# Altium PCB 20180616.PcbDoc
Units mil, origin at the board's own origin, x right, y up, seen from the top; angles counter-clockwise.
Board outline 4685.87 x 1793.13 mil, 2 copper layers (Top Layer, Bottom Layer); 58 components, 63 nets, 241 pads, 37 vias.
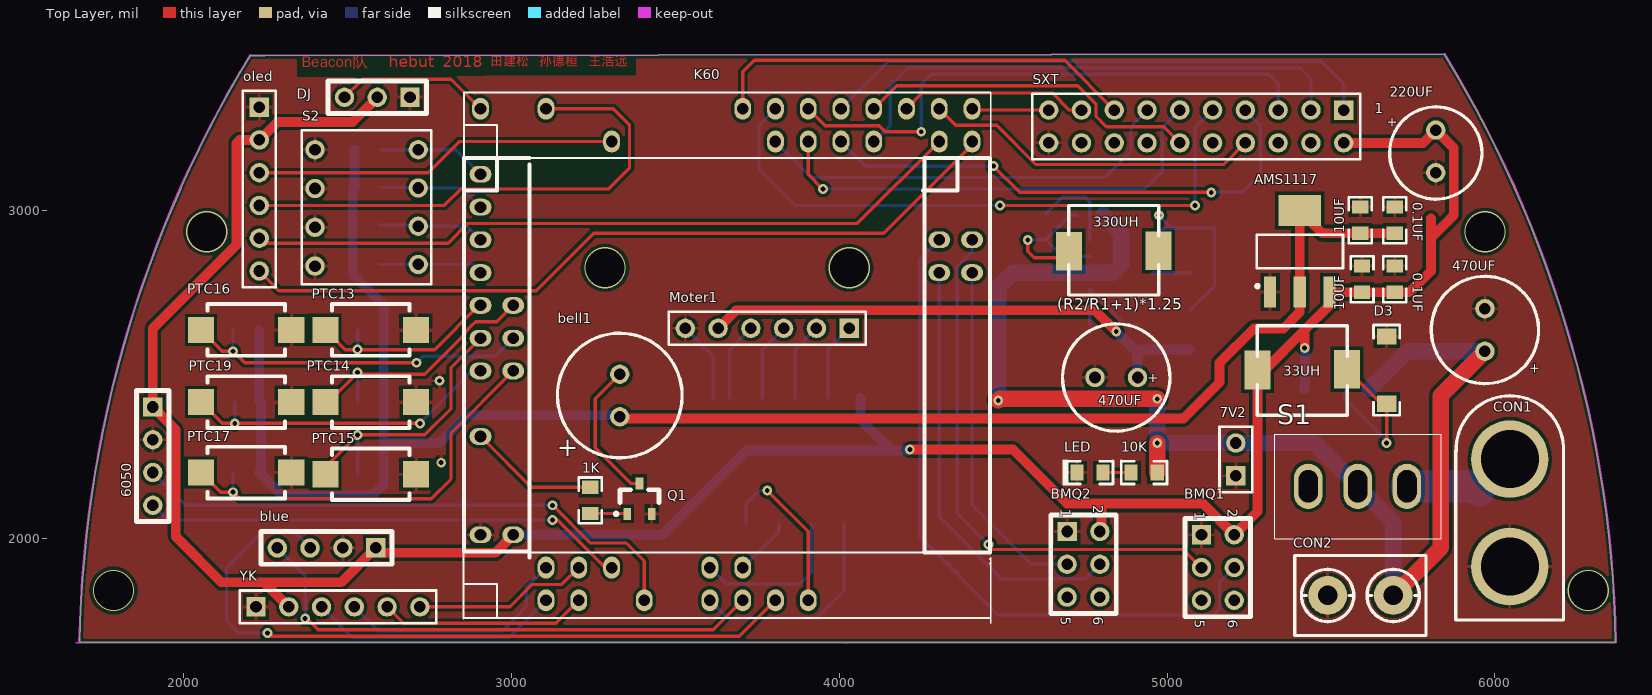
[diagram p0: Top Layer view]
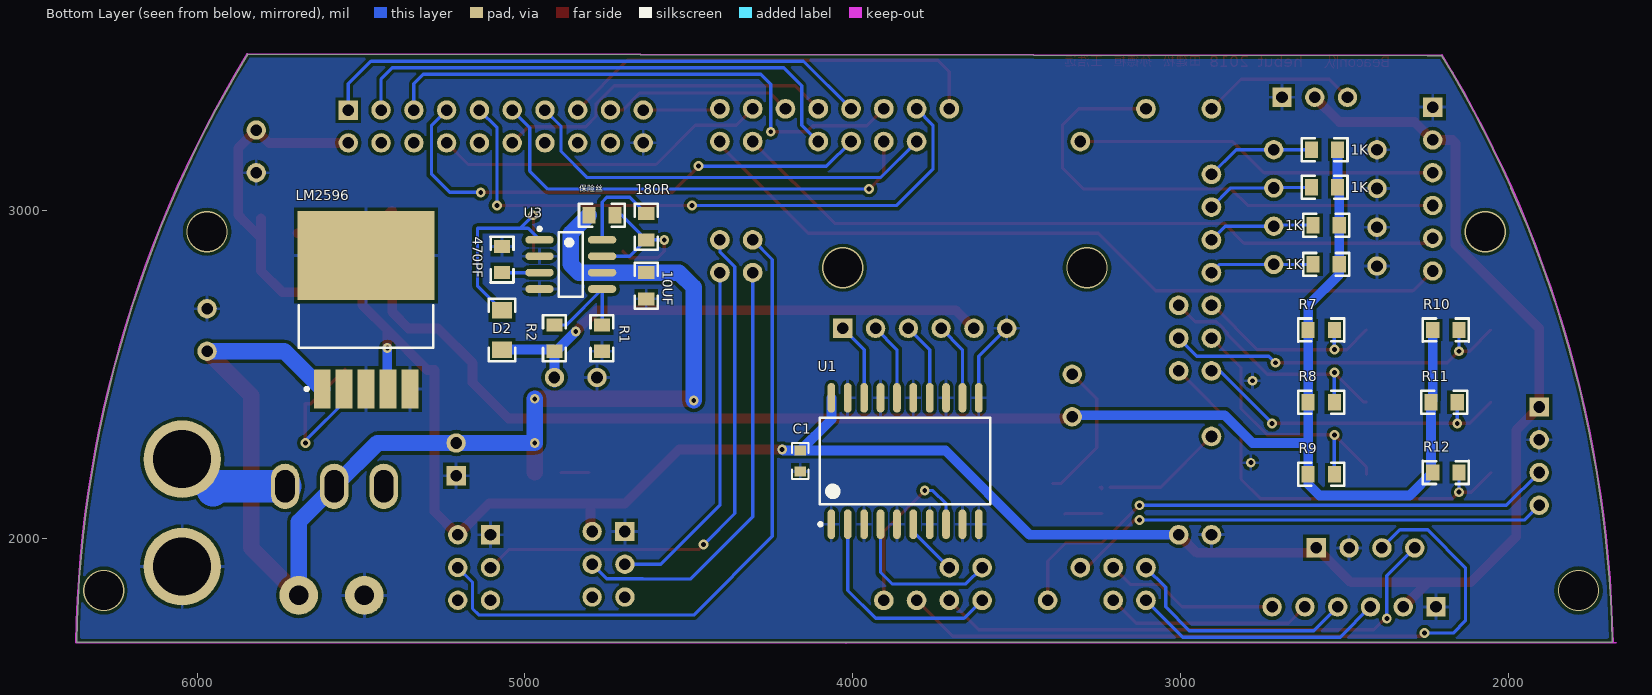
[diagram p1: Bottom Layer view, seen from below]

## Layer stack, top to bottom
Top Layer: signal copper 1.4
Dielectric: dielectric 12.6, FR-4, Dk 4.8
Bottom Layer: signal copper 1.4

## Board outline
1682.56,1682.54 cw(c5252.73,1615.09) 2202.32,3471.33 ccw(c2202.99,3473.76) 2202.99,3471.24 2247.27,3471.24 ccw(c2247.27,3473.76) 2247.27,3471.24 3447.34,3472.71 4647.4,3474.18 5846.05,3475.64 cw(c2798.27,1615.09) 6368.43,1682.54 4020.32,1682.52

## Design rules (kind name [scope] priority, off if disabled: settings)
Clearance [All] p1: gap=10
ComponentClearance [All] p1: gap=0 collisioncheckmode=3 verticalgap=0 showdistances=FALSE
PolygonConnect [All] p1: connectstyle=Relief reliefconductorwidth=10 reliefentries=4 polygonreliefangle="90 Angle" airgapwidth=10
RoutingVias [All] p1: holewidth=15 width=30 viastyle="Through Hole" minholewidth=12 minwidth=24 maxholewidth=28 maxwidth=50
SolderMaskExpansion [All] p1: expansion=4
Width [All] p1: maxlimit=100 minlimit=10 preferedwidth=10 minimp=50.000000 maximp=50.000000 favimp=50.000000
27 further rules are at their usual default settings.

## Components (designator, comment, footprint, x,y, rotation, side; value= is the part's Value field where it differs from the comment)
0.1UF "Cap" 0805 5695,2790 r270 top (schematic designator C6)
0.1UF "Cap" 0805 5695,2970 r270 top (schematic designator C7)
1K "Res2" 0805 2560,3185 r180 bottom (schematic designator R3)
1K "Res2" 0805 2560,3070 r180 bottom (schematic designator R4)
1K "Res2" 0805 2555,2955 r180 bottom (schematic designator R5)
1K "Res2" 0805 2555,2835 r0 bottom (schematic designator R6)
1K "Res2" 0805 3240,2115 r270 top (schematic designator R2)
7V2 "H1" HDR1X2 5190,2210 r90 top (schematic designator DY1)
10K "Res2" 0805 4930,2200 r0 top (schematic designator R1)
10UF "Cap Pol1" 0805 5590,2970 r90 top (schematic designator C4)
10UF "Cap" 0805 5595,2790 r270 top (schematic designator C5)
10UF "10uF" 0805 4630,2770 r270 bottom (schematic designator C10)
33UH "Inductor" diangan 5250,2435 r180 top (schematic designator L2)
180R "180R" 0805 4630,2950 r270 bottom (schematic designator R14)
220UF "Cap Pol1" 220uf 5860,3155 r270 top (schematic designator C9)
330UH "330uH" diangan 5000,2955 r0 top (schematic designator L1)
470PF "470pF" 0805 5070,2850 r90 bottom (schematic designator C3)
470UF "470uF" 470UF 4830,2505 r180 top (schematic designator C2)
470UF "Cap Pol1" 470uF 5985,2650 r90 top (schematic designator C8)
6050 "6050" HDR1X4 1925,2270 r270 top (schematic designator *)
AMS1117 "AMS1117-3.3" lm1117-5v 5400,2880 r90 top (schematic designator 1)
bell1 "Bell" bezzer 3320,2330 r90 top
blue "blueteeth2" HDR1X4 2455,1950 r180 top (schematic designator blue1)
BMQ1 "encode_1" HDR2X3 5130,1820 r270 top
BMQ2 "encode_2" HDR2X3 4720,1830 r270 top
C1 "0.1uF" 0603 4160,2235 r90 bottom
CON1 "PowerIn" DIZUO 6035,2070 r0 top
CON2 "PoweIn" KF301-2P 5590,1825 r90 top
D2 "IN5819" 1206(3216) 5140,2580 r270 bottom
D3 "IN5824" 1N5824 5825,2450 r90 top
DJ "DJ" HDR1X3 2580,3325 r180 top (schematic designator *7)
K60 "K60" K60 3045,2465 r0 top (schematic designator K1)
LED "RED" 0805LED 4765,2200 r180 top (schematic designator D1)
LM2596 "LM2596-5" LM2596 5475,2695 r90 bottom (schematic designator U2)
Moter1 "Motor" HDR1X6 4030,2640 r180 top
oled "OLED" HDR1X6 2230,3315 r270 top (schematic designator oled1)
PTC13 "SW-PB" BUTTON 2530,2615 r180 top (schematic designator S3)
PTC14 "SW-PB" BUTTON 2530,2395 r180 top (schematic designator S4)
PTC15 "SW-PB" BUTTON 2530,2175 r180 top (schematic designator S5)
PTC16 "SW-PB" BUTTON 2150,2615 r180 top (schematic designator S6)
PTC17 "SW-PB" BUTTON 2150,2180 r180 top (schematic designator S8)
PTC19 "SW-PB" BUTTON 2150,2395 r180 top (schematic designator S7)
Q1 "NPN9013" npn9013 3380,2115 r90 top
R1 "100R" 0805 4765,2610 r270 bottom (schematic designator R16)
R2 "1.3K" 0805 4910,2610 r270 bottom (schematic designator R15)
R7 "Res2" 0805 2570,2635 r0 bottom
R8 "Res2" 0805 2570,2415 r0 bottom
R9 "Res2" 0805 2570,2195 r0 bottom
R10 "Res2" 0805 2190,2635 r0 bottom
R11 "Res2" 0805 2195,2415 r0 bottom
R12 "Res2" 0805 2190,2200 r0 bottom
S1 "zk" SWITCH-MID 5350,2280 r0 top
S2 "SW-DIP4" BMKG 2060,3120 r270 top
SXT "SXT" SXT 5040,3260 r180 top (schematic designator *1)
U1 "74LS244" 74ls244DB 3840,2235 r90 bottom
U3 "MC34063" MC34063 4860,2835 r180 bottom
YK "YK" HDR1X6 2220,1790 r0 top (schematic designator *2)
保险丝 "0.22R" 0805 4765,2985 r0 bottom (schematic designator R13)

## Footprints (in the part's own frame and the unit in brackets; to place one, negate y for a bottom-side part, rotate by r counter-clockwise, add the part's x,y. Pads: shape width x height; smd on the part's side, far side on the other; paste and mask are expansions set on the pad)
1N5824 [mil]
  rect 50x60 smd: 1(-40,155) 2(165,155)
  silkscreen extent -75,115 200,195
74ls244DB [mm] "SOP, 20-Leads, Body 13.00x7.50mm, Pitch 1.27mm, IPC Medium Density"
  oval 2.3x0.6 smd: 1(-4.9,5.715) 2(-4.9,4.445) 3(-4.9,3.175) 4(-4.9,1.905) 5(-4.9,0.635) 6(-4.9,-0.635) 7(-4.9,-1.905) 8(-4.9,-3.175) 9(-4.9,-4.445) 10(-4.9,-5.715) 11(4.9,-5.715) 12(4.9,-4.445) 13(4.9,-3.175) 14(4.9,-1.905) 15(4.9,-0.635) 16(4.9,0.635) 17(4.9,1.905) 18(4.9,3.175) 19(4.9,4.445) 20(4.9,5.715)
  silkscreen extent -5.02,-6.6 3.35,6.69, body extent -3.8,-6.6 3.8,6.6, height 2.65
220uf [mm]
  round 1.5 hole 0.9: 1(-2.286,-1.016) 2(1.016,-1.016)
  silkscreen extent -4.08,-4.59 3.07,2.56
470UF [mm]
  round 1.5 hole 0.9: 1(-2.032,0.381) 2(1.27,0.381)
  silkscreen extent -4.54,-3.78 3.78,4.54
470uF [mm]
  round 1.5 hole 0.9: 1(-2.032,0.381) 2(1.27,0.381)
  silkscreen extent -4.54,-3.78 3.78,4.54
0603 [mil]
  rect 30x35 smd: 1(-32,0) 2(32,0)
  silkscreen extent -55,-25 55,25
0805 [mil]
  rect 40x50 smd: 1(-40,0) 2(40,0)
  silkscreen extent -70,-35 70,35
0805LED [mil]
  rect 40x50 smd: 1(-40,0) 2(40,0)
  silkscreen extent -70,-35 80,35
1206(3216) [mil]
  rect 50x60 smd: 1(-115,70) 2(5,70)
  silkscreen extent -150,30 40,110
bezzer [mm]
  round 1.5 hole 0.9: 1(1.016,-0.254) 2(4.318,-0.254)
  silkscreen extent -2.16,-5.08 7.5,4.58
BMKG [mm]
  round 1.5 hole 0.9: 1(-1.651,8.636) 2(1.355,8.636) 3(4.36,8.636) 4(7.366,8.636) 5(7.239,16.637) 6(4.276,16.637) 7(1.312,16.637) 8(-1.651,16.637)
  silkscreen extent -3.18,7.62 8.76,17.65
BUTTON [mil]
  rect 80x80 smd: 1(-177.8,-20) 2(97.8,-20)
  silkscreen extent -158,-99 78,59
diangan [mil]
  rect 78.74x118.11 smd: 1(-299,-80) 2(-26,-78)
  silkscreen extent -300,-213 -25,60
DIZUO [mm]
  round 6 hole 4.5: 1(0.279,4.343) 2(0.279,-3.988)
  silkscreen extent -3.91,-8.13 4.45,9.25
HDR1X2 [mm]
  rect 1.5x1.5 hole 0.9: 1(-0.508,-0.508)
  round 1.5 hole 0.9: 2(2.032,-0.508)
  silkscreen extent -1.78,-1.78 3.3,0.76
HDR1X3 [mm]
  rect 1.5x1.5 hole 0.9: 1(-2.794,-0.508)
  round 1.5 hole 0.9: 2(-0.254,-0.508) 3(2.286,-0.508)
  silkscreen extent -4.06,-1.78 3.56,0.76
HDR1X4 [mm]
  rect 1.5x1.5 hole 0.9: 1(-3.302,-0.508)
  round 1.5 hole 0.9: 2(-0.762,-0.508) 3(1.778,-0.508) 4(4.318,-0.508)
  silkscreen extent -4.57,-1.78 5.59,0.76
HDR1X6 [mm] "Connector; Header; 6 Position"
  rect 1.5x1.5 hole 0.9: 1(0,0)
  round 1.5 hole 0.9: 2(2.54,0) 3(5.08,0) 4(7.62,0) 5(10.16,0) 6(12.7,0)
  silkscreen extent -1.27,-1.27 13.97,1.27
HDR2X3 [mm]
  rect 1.5x1.5 hole 0.9: 1(-4.826,-0.635)
  round 1.5 hole 0.9: 2(-4.826,1.905) 3(-2.286,-0.635) 4(-2.286,1.905) 5(0.254,-0.635) 6(0.254,1.905)
  silkscreen extent -6.1,-1.91 1.52,3.18
K60 [mm]
  oval 1.7x1.3 / inner round 1.524 / far side round 1.524 hole 0.9: 1(-3.556,16.383) 3(-3.556,13.843) 5(-3.556,11.303) 7(-3.556,8.763) 9(-3.556,6.223) 10(-1.016,6.223) 11(-3.556,3.683) 12(-1.016,3.683) 13(-3.556,1.143) 14(-1.016,1.143) 17(-3.556,-3.937) 23(-3.556,-11.557) 24(-1.016,-11.557) 73(34.544,8.763) 74(32.004,8.763) 75(34.544,11.303) 76(32.004,11.303)
  oval 1.3x1.7 / inner round 1.524 / far side round 1.524 hole 0.9: 29(1.524,-16.637) 30(1.524,-14.097) 31(4.064,-16.637) 32(4.064,-14.097) 34(6.604,-14.097) 35(9.144,-16.637) 39(14.224,-16.637) 40(14.224,-14.097) 41(16.764,-16.637) 42(16.764,-14.097) 43(19.304,-16.637) 45(21.844,-16.637) 81(34.544,21.463) 82(34.544,18.923) 83(32.004,21.463) 84(32.004,18.923) 85(29.464,21.463) 87(26.924,21.463) 88(26.924,18.923) 89(24.384,21.463) 90(24.384,18.923) 91(21.844,21.463) 92(21.844,18.923) 93(19.304,21.463) 94(19.304,18.923) 95(16.764,21.463) 104(6.604,18.923) 107(1.524,21.463) 111(-3.556,21.463)
  silkscreen extent -4.87,-18.42 35.99,22.73
KF301-2P [mm]
  round 3 hole 1.5: 1(0,-2.54) 2(0,2.54)
  silkscreen extent -3.1,-5.08 3.1,5.08
lm1117-5v [mm]
  rect 2.4x0.95 smd: 1(-3.277,2.173) 2(-3.277,-0.127) 3(-3.277,-2.427)
  rect 2.4x3.3 smd: 2(3.023,-0.127)
  silkscreen extent -2.95,-3.48 1.17,3.28, body extent -1.63,-3.48 1.37,3.22, height 1.8
LM2596 [mm]
  rect 3.05x1.3 smd: 1(-6.1,3.654) 2(-6.1,1.954) 3(-6.1,0.254) 4(-6.1,-1.446) 5(-6.1,-3.146)
  rect 6.9x10.65 smd: 6(4.25,0.254)
  silkscreen extent -6.22,-4.95 0.4,5.45
MC34063 [mm] "SOIC, 8-Leads, Body 4.90x3.90mm, Pitch 1.27mm, IPC Medium Density"
  oval 2.2x0.6 smd: 1(-2.425,1.905) 2(-2.425,0.635) 3(-2.425,-0.635) 4(-2.425,-1.905) 5(2.425,-1.905) 6(2.425,-0.635) 7(2.425,0.635) 8(2.425,1.905)
  silkscreen extent -2.55,-2.5 0.93,2.88, body extent -2,-2.5 2,2.5, height 1.5
npn9013 [mm]
  rect 0.95x0.6 smd: 1(-1.048,-1.204) 2(-1.048,0.696) 3(1.302,-0.254)
  silkscreen extent -1.17,-1.75 0.83,1.67, body extent -0.57,-1.75 0.83,1.25, height 1.1
SWITCH-MID [mm]
  oval 2.2x3.5 hole 1.5 slot 2.5 at 90 deg: 1(9.703,-3.099) 2(5.893,-3.099) ""(2.057,-3.099)
  silkscreen extent -0.56,-7.16 12.34,0.94
SXT [mm]
  rect 1.5x1.5 hole 0.9: 1(-12.675,-1.168)
  round 1.5 hole 0.9: 2(-10.135,-1.168) 3(-7.595,-1.168) 4(-5.055,-1.168) 5(-2.515,-1.168) 6(0.025,-1.168) 7(2.565,-1.168) 8(5.105,-1.168) 9(7.645,-1.168) 10(10.185,-1.168) 11(10.185,1.372) 12(7.645,1.372) 13(5.105,1.372) 14(2.565,1.372) 15(0.025,1.372) 16(-2.515,1.372) 17(-5.055,1.372) 18(-7.595,1.372) 19(-10.135,1.372) 20(-12.675,1.372)
  silkscreen extent -13.94,-2.44 11.46,2.64

## Part data
0.1UF 0.1UF 10UF: "Capacitor"
1K 1K 1K 1K 1K 10K R7 R8 R9 R10 R11 R12: "Resistor"
10UF 220UF 470UF: "Polarized Capacitor (Radial)"
10UF 470UF: library part "Cap Pol3", "Polarized Capacitor (Surface Mount)"
180R R1 R2 保险丝: library part Res2, "Resistor"
330UH: library part Inductor, "Inductor"
470PF C1: library part "Cap Semi", "Capacitor (Semiconductor SIM Model)"
AMS1117: library part LT1117-3.3
bell1: "Electrical Bell"
blue: library part blueteeth
BMQ1 BMQ2: library part encode
CON1 CON2: library part "Header 2", "Header, 2-Pin"
D2: library part Diode, "Default Diode"
DJ: library part 舵机
LED: library part LED2, "Typical RED, GREEN, YELLOW, AMBER GaAs LED"
LM2596: library part LM2596
PTC13 PTC14 PTC15 PTC16 PTC17 PTC19: "Switch"
Q1: library part 2N3904, "NPN General Purpose Amplifier"
S1: library part SW-SPST, "Single-Pole, Single-Throw Switch"
S2: "DIP Switch"
SXT: library part 摄像头
YK: library part 遥控

## Via types
v1: diameter 30, hole 15, Top Layer to Bottom Layer, 31 vias
v2: diameter 125.98, hole 118.11, Top Layer to Bottom Layer, 6 vias

## Nets (pads, with @x,y where several pads share a name; then routed paths per layer and width w, separated by ;. In a path a pad name is that pad's centre, name@x,y a point inside that pad or via, vN(x,y) a via of type N, cw(c..) or ccw(c..) an arc to the next point about the centre after c; other vN are vias at no path point)
3V3: 0.1UF.2@5695,2930 1K.1@2515,2835 1K.2@2515,2955 1K.2@2520,3070 1K.2@2520,3185 10UF.1@5590,2930 AMS1117.2 bell1.1 R7.2 R8.2 R9.2 R10.2 R11.2 R12.2 | length 5555.8
  Top Layer w30: bell1.1 3335,2365 5050,2365 5160,2475 5160,2535 5265,2640 5355,2640 5405,2690 5405,2750.98 5405,2999.02 5474.02,2930 5590,2930 0.1UF.2@5695,2930
  Bottom Layer w30: R10.2 2230,2420 R11.2 2235,2205 R12.2 2300,2130 2575,2130 2610,2165 R9.2 2610,2290 ; 1K.2@2520,3185 2520,3070 2515,3065 2515,2955 2515,2835 2515,2805 2610,2710 R7.2 R8.2 2610,2290 ; bell1.1 3325,2375 2865,2375 2780,2290 2610,2290
5V: 0.1UF.2@5695,2750 10UF.2@5595,2750 33UH.2 220UF.1 6050.1 AMS1117.3 blue.1 BMQ1.2 BMQ2.2 C1.2 DJ.2 K60.24 LM2596.4 oled.2 SXT.20 U1.20 YK.2 | length 8015.7
  Top Layer w30: YK.2 2245,1865 ; DJ.2 2515,3270 2285,3270 oled.2 2170,3215 2160,3205 2160,2895 1905,2640 6050.1 1975,2330 1975,2005 2115,1865 2245,1865 ; K60.24 2950,1955 2600,1955 blue.1 2480,1865 2245,1865 ; v1(4215,2270) 4530,2270 4695,2105 4800,2105 ; BMQ2.2 4800,2025 4800,2105 ; v1(5420,2580) 5420,2635 ; SXT.20 5781,3206 220UF.1 5875,3190 5875,2985.3 5857.01,2967.31 5857.01,2967.01 5810,2920 ; 5805,2975 5805,2815 5740,2750 5695,2750 5595,2750 5496.54,2750 AMS1117.3 5495.55,2710.55 5420,2635 ; 4800,2105 5110,2105 BMQ1.2 5276,2081 33UH.2 5298,2513 5420,2635
  Bottom Layer w30: K60.24 3460,2010 3717,2267 C1.2 ; U1.20 4065,2362 C1.2 ; v1(4215,2270) 4212,2267 C1.2 ; LM2596.4 5420,2456.77 v1(5420,2580)
7V2: 7V2.2 10K.2 10UF.1@4630,2810 470UF.1@5970,2570 CON2.1 LM2596.1 S1.2 U3.6 保险丝.2 | length 3938.1
  Top Layer w50: v1(4485,2420) 4490,2425 v1(4970,2425) ; 10K.2 v1(4970,2290) ; CON2.1 5835,1970 5835,2435 470UF.1@5970,2570
  Bottom Layer w50: v1(4485,2420) 4485,2765 4530,2810 4630,2810 U3.6 4835,2810 4860,2835 4860,2930 保险丝.2 ; v1(4970,2425) v1(4970,2290) 7V2.2 5450,2290 S1.2 5690,2050 CON2.1 ; LM2596.1 5734.02,2570 470UF.1@5970,2570
12V: 470UF.1@4910,2490 D2.2 Moter1.5 R2.2 | length 1611.6
  Top Layer w30: Moter1.5 3685,2695 4780,2695 v1(4845,2630)
  Bottom Layer w10: R2.2 R2.2@4915,2575
  Bottom Layer w30: v1(4845,2630) 4905,2570 R2.2 470UF.1@4910,2475 ; R2.2@4915,2575 D2.2
GND: 0.1UF.1 7V2.1 10UF.1@5595,2830 10UF.2@4630,2730 10UF.2@5590,3010 220UF.2 470PF.2 470UF.2 6050.2 AMS1117.1 blue.2 BMQ1.1 BMQ2.1 C1.1 CON1.2 CON2.2 D3.2 DJ.1 K60.23 LED.2 LM2596.3 LM2596.5 LM2596.6 Moter1.6 oled.1 PTC13.1 PTC14.1 PTC15.1 PTC16.1 PTC17.1 PTC19.1 Q1.1 R1.2 S2.1 S2.2 S2.3 S2.4 SXT.11 U1.1 U1.3 U1.5 U1.7 U1.9 U1.10 U1.11 U1.13 U1.15 U1.17 U1.19 U3.2 U3.4 YK.1 | length 247.3
  Bottom Layer w10: Moter1.6 3615,2555 U1.11
  other v1: 2785,2230 2780,2480
"MOTOR1 IN1": Moter1.2 U1.16 | length 239
  Bottom Layer w10: U1.16 3865,2575 Moter1.2
"MOTOR1 IN2": Moter1.1 U1.18 | length 239
  Bottom Layer w10: U1.18 3965,2575 Moter1.1
"MOTOR1 IN3": Moter1.3 U1.14 | length 239
  Bottom Layer w10: U1.14 3765,2575 Moter1.3
"MOTOR1 IN4": Moter1.4 U1.12 | length 239
  Bottom Layer w10: U1.12 3665,2575 Moter1.4
Netbell1_2: bell1.2 Q1.3 | length 435.4
  Top Layer w10: bell1.2 3255,2425 3255,2276.26 3365,2166.26 Q1.3
NetC3_1: 470PF.1 U3.3 | length 114.5
  Bottom Layer w10: U3.3 470PF.1
NetCON1_1: CON1.1 S1.1 | length 224.6
  Bottom Layer w100: S1.1 5941,2158 5952,2147
NetD1_1: 10K.1 LED.1 | length 85
  Top Layer w10: LED.1 10K.1
NetD2_1: 330UH.2 D2.1 U3.1 | length 650.1
  Top Layer w10: 330UH.2 4974,2984 v1(4975,2985)
  Bottom Layer w10: U3.1 4990.47,2945 5015,2945 ; v1(4975,2985) 5015,2945 ; D2.1 5145,2770 5145,2945 5015,2945
NetD3_1: 33UH.1 D3.1 LM2596.2 | length 515.2
  Top Layer w10: 33UH.1 5654,2410 D3.1 v1(5670,2290) v1@5675,2285
  Bottom Layer w10: LM2596.2 5540,2442.91 5540,2426.86 5670,2296.86 v1(5670,2290)
NetL1_1: 180R.2 330UH.1 U3.7 保险丝.1 | length 513.9
  Top Layer w10: v1(4575,2910) 4575,2875 4595,2855 4681,2855 330UH.1
  Bottom Layer w10: v1(4575,2910) 180R.2 ; 保险丝.1 4705,2985 180R.2 ; U3.7 4680,2860 180R.2
NetQ1_2: 1K.2@3240,2075 Q1.2 | length 113.1
  Top Layer w10: 1K.2@3240,2075 3351.34,2075 Q1.2
NetR14_1: 180R.1 U3.8 | length 276.7
  Bottom Layer w10: 180R.1 4680,3040 4750,3040 4764.53,3025.47 U3.8
NetR15_1: R1.1 R2.1 U3.5 | length 301.2
  Bottom Layer w10: R1.1 4764.53,2650.47 U3.5 4874.53,2650 R2.1
PTA10: BMQ2.3 K60.73 | length 1074.5
  Bottom Layer w10: K60.73 4405,2100 4585,1920 BMQ2.3
PTA11: BMQ2.4 K60.74 | length 1332.3
  Bottom Layer w10: K60.74 4305,2065 4495,1875 4639.06,1875 4639.53,1875.47 4750.47,1875.47 BMQ2.4
PTA12: BMQ1.3 K60.75 | length 1667
  Top Layer w10: v1(4455,1980) 4470,1965 5050,1965 BMQ1.3
  Bottom Layer w10: K60.75 4405,2873.63 4360,2828.63 4360,2075 v1(4455,1980)
PTA13: BMQ1.4 K60.76 | length 2096.2
  Bottom Layer w10: K60.76 4245,2850 4245,2005 4485,1765 5140,1765 5160,1785 5160,1865 BMQ1.4
PTA19: K60.82 oled.6 | length 2394.2
  Top Layer w10: oled.6 2290,2755 3075,2755 3250,2930 4135,2930 4405,3200 K60.82
PTA24: K60.84 oled.5 | length 2209.6
  Top Layer w10: oled.5 2245,2900 2805.95,2900 2865.95,2960 4055,2960 K60.84
PTA25: K60.81 SXT.10 | length 235.7
  Top Layer w10: K60.81 4409,3306 SXT.10
PTA26: K60.85 SXT.9 | length 575.8
  Top Layer w10: K60.85 4253.46,3358.46 4649.51,3358.46 4701.97,3306 SXT.9
PTA27: K60.83 SXT.17 | length 1031.8
  Top Layer w10: K60.83 4355,3260 4480,3260 4600,3140 5173,3140 SXT.17
PTA29: K60.87 SXT.15 | length 1057.3
  Top Layer w10: K60.87 4175,3380 4727.97,3380 4783.53,3324.44 4783.53,3286.47 4815,3255 4990,3255 SXT.15
PTB0: K60.89 SXT.1 | length 1702.6
  Bottom Layer w10: K60.89 4150,3455 5470,3455 5539,3386 SXT.1
PTB1: K60.88 SXT.2 | length 1606.6
  Bottom Layer w10: K60.88 4155,3260 4155,3380 4210,3435 5405,3435 5439,3401 SXT.2
PTB2: K60.91 SXT.3 | length 1712.4
  Top Layer w10: K60.91 3956.54,3258.46 4121.81,3258.46 4140.28,3240 v1(4250,3240)
  Bottom Layer w10: v1(4250,3240) 4250,3385 4280,3415 5310,3415 5339,3386 SXT.3
PTB3: K60.90 SXT.4 | length 1582
  Top Layer w10: v1(4470,3135) 4550,3055 v1(5135,3055)
  Bottom Layer w10: K60.90 4080,3135 v1(4470,3135) ; v1(5135,3055) 5230,3055 5285,3110 5285,3260 SXT.4
PTB4: K60.93 SXT.5 | length 1894.6
  Top Layer w10: v1(4490,3015) v1(5085,3015)
  Bottom Layer w10: K60.93 3755,3260 3755,3125 3865,3015 v1(4490,3015) ; v1(5085,3015) 5085,3252 SXT.5
PTB5: K60.92 SXT.6 | length 1429.8
  Top Layer w10: K60.92 3905,3110 v1(3950,3065)
  Bottom Layer w10: v1(3950,3065) 4930,3065 4985,3120 4985,3252 SXT.6
PTB6: K60.94 SXT.7 | length 1310
  Bottom Layer w10: K60.94 3915,3100 4810,3100 4890,3180 4890,3257 SXT.7
PTB7: K60.95 SXT.8 | length 1324.1
  Top Layer w10: K60.95 3705,3422.72 3740,3457.72 4687.28,3457.72 SXT.8
PTB21: K60.104 oled.3 | length 1114.4
  Top Layer w10: oled.3 2745,3115 2840,3210 K60.104
PTB22: K60.107 oled.4 | length 1583.3
  Top Layer w10: oled.4 2795,3015 2845,3065 3295,3065 3360,3130 3360,3260 3310,3310 K60.107
PTC2: DJ.3 K60.111 | length 475.1
  Top Layer w10: DJ.3 2545,3400 2815,3400 K60.111
PTC5: 1K.1@2600,3185 K60.1 S2.8 | length 336.1
  Bottom Layer w10: 1K.1@2600,3185 S2.8 2830,3185 K60.1
PTC7: 1K.1@2600,3070 K60.3 S2.7 | length 329.9
  Bottom Layer w10: 1K.1@2600,3070 2713.33,3070 S2.7 2846.67,3068.33 K60.3
PTC9: 1K.1@2595,2955 K60.5 S2.6 | length 328.6
  Bottom Layer w10: 1K.1@2595,2955 2711.67,2955 S2.6 2863.33,2951.67 K60.5
PTC11: 1K.2@2595,2835 K60.7 S2.5 | length 320.4
  Bottom Layer w10: 1K.2@2595,2835 S2.5 2880,2835 K60.7
PTC13: K60.9 PTC13.2 R7.1 | length 613.6
  Top Layer w10: PTC13.2 2492.2,2575 v1(2530,2575) 2765,2575 2900,2710 K60.9
  Bottom Layer w10: v1(2530,2575) R7.1
PTC14: K60.10 PTC14.2 R8.1 | length 792.2
  Top Layer w10: PTC14.2 2440,2415 v1(2530,2505) 2535,2500 2735,2500 2856.54,2621.54 2856.54,2626.81 2880.31,2650.59 2880.59,2650.59 2890,2660 2955,2660 K60.10
  Bottom Layer w10: R8.1 v1(2530,2505)
PTC15: K60.11 PTC15.2 R9.1 | length 850.9
  Top Layer w10: PTC15.2 2432.2,2217.2 v1(2530,2315) 2735,2315 2815,2395 2815,2520 K60.11
  Bottom Layer w10: R9.1 v1(2530,2315)
PTC16: K60.12 PTC16.2 R10.1 | length 1107.4
  Top Layer w10: PTC16.2 2117.2,2570 v1(2150,2570) 2185,2535 v1(2710,2535) ; v1(2710,2535) 2710,2530 2715,2535 v1(2710,2535)
  Bottom Layer w10: v1(2150,2570) R10.1 ; v1(2710,2535) 2730,2555 2950,2555 K60.12
PTC17: K60.14 PTC17.2 R12.1 | length 1289.5
  Top Layer w10: PTC17.2 2112.2,2140 v1(2150,2140) 2170,2120 2755,2120 2815,2180 2815,2320 K60.14
  Bottom Layer w10: v1(2150,2140) R12.1
PTC19: K60.13 PTC19.2 R11.1 | length 1011
  Top Layer w10: PTC19.2 2117.2,2350 v1(2155,2350) v1(2720,2350)
  Bottom Layer w10: v1(2155,2350) R11.1 ; v1(2720,2350) 2880,2510 K60.13
PTD1: 1K.1@3240,2155 K60.17 | length 386.3
  Top Layer w10: K60.17 3060,2155 1K.1@3215,2155 ; 1K.1@3240,2155 3240,2150 1K.1@3245,2155
PTD11: K60.29 YK.3 | length 769.9
  Bottom Layer w10: YK.3 2512.48,1697.52 2992.53,1697.52 K60.29
PTD12: K60.30 YK.4 | length 729.9
  Bottom Layer w10: YK.4 2592.48,1717.52 2972.52,1717.52 3045,1790 3045,1849.99 K60.30
PTD13: K60.31 YK.5 | length 634.7
  Top Layer w10: YK.5 2670,1740 3135.01,1740 K60.31
PTD14: K60.32 YK.6 | length 534.7
  Top Layer w10: YK.6 2995,1790 3063.45,1858.45 3153.46,1858.45 K60.32
PTE0: 6050.4 K60.34 | length 1478.7
  Top Layer w10: v1(3125,2055) 3140.5,2055 3285.52,1909.99 K60.34
  Bottom Layer w10: 6050.4 1950,2055 v1(3125,2055)
PTE1: 6050.3 K60.35 | length 1731.9
  Top Layer w10: v1(3125,2100) 3240,1985 3350,1985 3405,1930 K60.35
  Bottom Layer w10: 6050.3 2005,2100 v1(3125,2100)
PTE5: K60.39 U1.2 | length 670.1
  Bottom Layer w10: K60.39 3659.98,1755 3930,1755 4015,1840 U1.2
PTE6: K60.40 U1.4 | length 492.3
  Bottom Layer w10: K60.40 3654.98,1860 3880,1860 3915,1895 U1.4
PTE7: K60.42 U1.6 | length 177.7
  Bottom Layer w10: K60.42 3815,2019.99 U1.6
PTE8: blue.4 K60.41 | length 1644
  Top Layer w10: v1(2370,1755) 2375,1760 2375,1755 2410,1720 3615.01,1720 K60.41
  Bottom Layer w10: blue.4 2370,1885 v1(2370,1755)
PTE9: blue.3 K60.43 | length 2228.1
  Top Layer w10: v1(2255,1710) 2265,1700 3695.01,1700 K60.43
  Bottom Layer w10: v1(2255,1710) 2167.52,1710 2130,1747.52 2130,1910 2245,2025 2330,2025 blue.3
PTE10: K60.45 U1.8 | length 531.3
  Top Layer w10: v1(3780,2145) 3905,2020 K60.45
  Bottom Layer w10: U1.8 3715,2105 3755,2145 v1(3780,2145)
pads on no net: BMQ1.5 BMQ1.6 BMQ2.5 BMQ2.6 S1. SXT.12 SXT.13 SXT.14 SXT.16 SXT.18 SXT.19
copper on no net:
  other v2: 1785,1840 6285,1840 3285,2825 4030,2825 2070,2935 5970,2935

## Polygon pours and split planes (outlines as drawn)
GND on Bottom Layer "Top Layer-No Net" (solid, remove dead copper, pour order 6): 1435,3875 7730,3875 7915,3690 6895,2670 6895,1390 1480,1390 1195,1105
GND on Top Layer "Top Layer-No Net" (solid, remove dead copper, pour order 8): 1105,4270 1235,4140 8835,4140 8835,2475 7050,690 6690,1050 895,1050

## Keep-outs
Keep-Out Layer:
  lines w5: 1669.64,1680.02 4020.32,1680 6371,1680.02 ccw(c2798.27,1615.09) 5847.46,3478.16 4647.4,3476.69 3447.33,3475.23 2247.27,3473.76 2202.99,3473.76 ; 1680,1680.02 cw(c5252.73,1615.09) 2201.66,3475.08

## Other copper
Top Layer:
  text "田建松" at 2935,3430 h50
  text "孙德桓" at 3085,3430 h50
  text "王浩远" at 3235,3430 h50
  text "Beacon队" at 2360,3425 h60
  text "hebut" at 2625,3425 h60
  text "2018" at 2790,3425 h60

## Silkscreen, mask and mechanical layers (free items; w line width, h text height)
Top Overlay:
  text "(R2/R1+1)*1.25" at 4665,2685 h60

## Text inside footprints (layer, text, board x,y; h text height)
220UF: Top Overlay "+" at 5675,3285 h30 r270
470UF: Top Overlay "+" at 4975,2500 h30 r180
470UF: Top Overlay "+" at 6135,2500 h30 r90
bell1: Top Overlay "+" at 3195,2240 h59.06 r90
BMQ1: Top Overlay "6" at 5185,1750 h30 r270; Top Overlay "5" at 5085,1750 h30 r270; Top Overlay "2" at 5185,2090 h30 r270; Top Overlay "1" at 5085,2080 h30 r270
BMQ2: Top Overlay "6" at 4775,1760 h30 r270; Top Overlay "5" at 4675,1760 h30 r270; Top Overlay "2" at 4775,2100 h30 r270; Top Overlay "1" at 4675,2090 h30 r270
SXT: Top Overlay "1" at 5634,3296 h30